# Altium PCB PCB1.PcbDoc (continued)
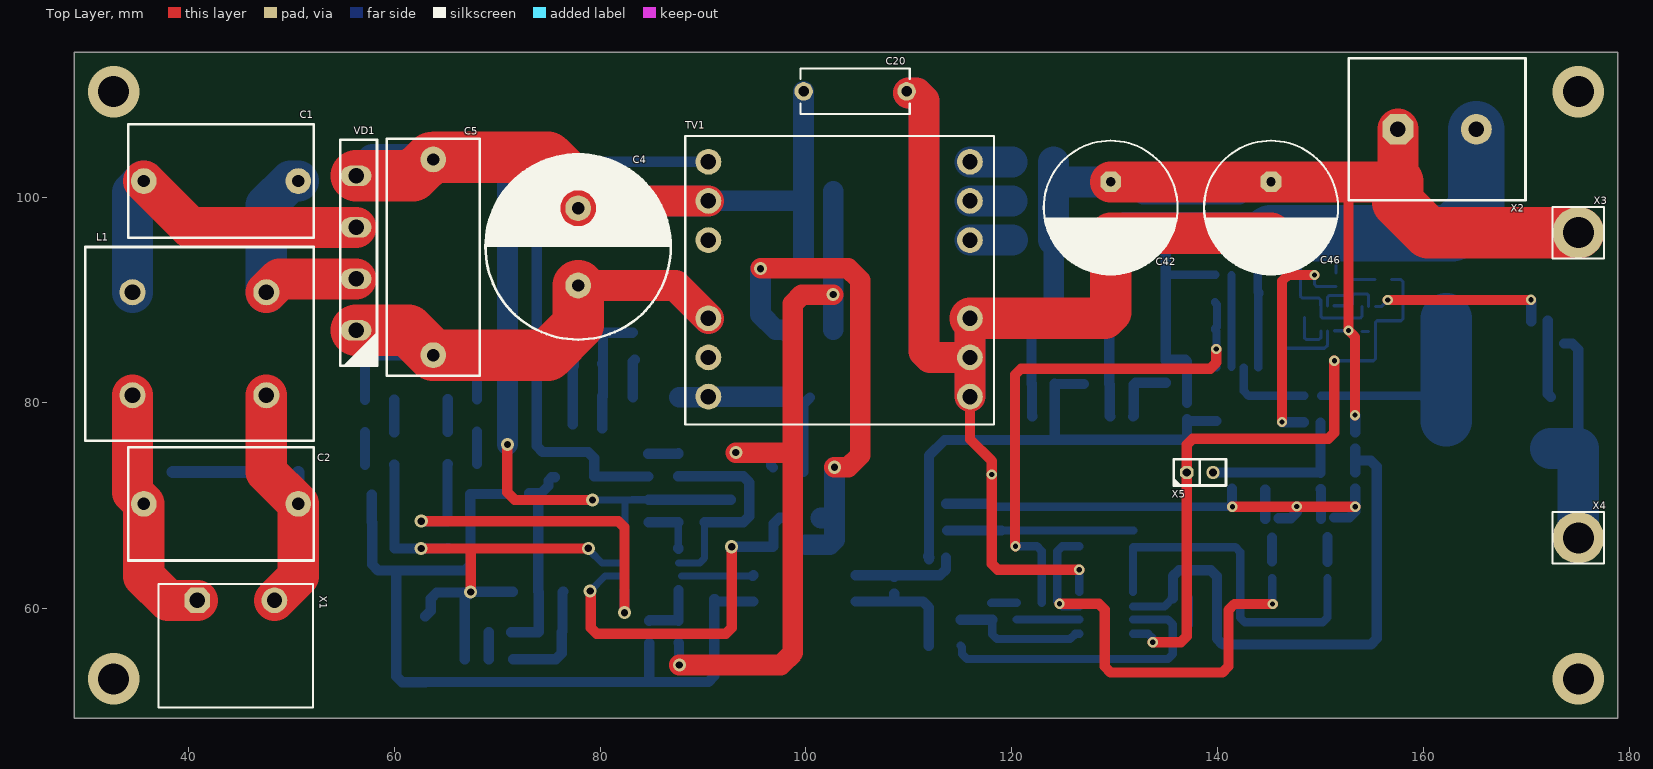
[diagram p0: Top Layer view]
## Part data
C1 C2: library part FILM_CAP, "Конденсатор пленочный", Dielectric=X2, Package=FILM_P1500L1800W1100H1400PD80, Voltage=275В, ComponentDescription="Конденсатор пленочный, 0.68мк, 275В, X2, FILM_P1500L1800W1100H1400PD80", ComponentType="Конденсатор пленочный"
C3 C13 C14 C16 C26 C30 C34 C35 C38 C41: library part C0805, Dielectric=X7R, Package=C-0805, Voltage=50, ComponentType="Конденсатор керамический SMD"
  C3 C14 C16 C26 C30 C35 C38: ComponentDescription="Конденсатор керамический SMD, C-0805, 50В, 1мк, X7R"
  C13 C34 C41: ComponentDescription="Конденсатор керамический SMD, C-0805, 50В, 0.1мк, X7R"
C4: library part "Aluminum electrolytic capacitor", "Конденсатор электролитический", Package="PCAP D18 H36 P7.5", ComponentDescription="Конденсатор электролитический, *, *, *, PCAP D18 H36 P7.5", ComponentType="Конденсатор электролитический"
C5: library part "CBB22 0.47uF 630V", "Конденсатор металло-плёночный", Dielectric=СВВ22, Package=CAP23X9X19mm, Voltage=630В, ComponentDescription="Конденсатор металло-плёночный, 0.47мк, 630В, СВВ22, CAP23X9X19mm", ComponentType="Конденсатор металло-плёночный"
C6 C8 C45: library part C0805, Dielectric=X7R, Package=c-0805, Voltage=50, ComponentType="Конденсатор керамический SMD"
  C6: ComponentDescription="Конденсатор керамический SMD, c-0805, 50В, 2200, X7R"
  C8: ComponentDescription="Конденсатор керамический SMD, c-0805, 50В, 0.1мк, X7R"
  C45: ComponentDescription="Конденсатор керамический SMD, c-0805, 50В, 1мк, X7R"
C7: library part C0805, Dielectric=COG, Package=c-0805, Voltage=50, ComponentDescription="Конденсатор керамический SMD, c-0805, 50В, 68, COG", ComponentType="Конденсатор керамический SMD"
C9 C11: library part C1206, Package=c-1206, ComponentDescription="Конденсатор керамический SMD, c-1206, *В, *, *", ComponentType="Конденсатор керамический SMD"
C10: library part C0805, Dielectric=X7R, Package=c-0805, Voltage=25, ComponentDescription="Конденсатор керамический SMD, c-0805, 25В, 22мк, X7R", ComponentType="Конденсатор керамический SMD"
C12: library part _GENERIC_TANTALUM_, "Конденсатор танталовый SMD", Dielectric="Типоразмер D", Package="Capacitor, SM Tantalum; Body 7.3 x 4.3 mm (LxW typ)", Voltage=25, ComponentDescription="Конденсатор танталовый SMD, Capacitor, SM Tantalum; Body 7.3 x 4.3 mm (LxW typ), 25В, 47мк, Типоразмер D", ComponentType="Конденсатор танталовый SMD"
C15 C21 C22 C23: library part C0603, Package=c-0603, ComponentDescription="Конденсатор керамический SMD, c-0603, *В, *, *", ComponentType="Конденсатор керамический SMD"
C17: library part C0805, Dielectric=X7R, Package=C-0805, Voltage=25, ComponentDescription="Конденсатор керамический SMD, C-0805, 25В, 22мк, X7R", ComponentType="Конденсатор керамический SMD"
C18: library part C0805, Dielectric=COG, Package=C-0805, Voltage=50, ComponentDescription="Конденсатор керамический SMD, C-0805, 50В, 120, COG", ComponentType="Конденсатор керамический SMD"
C19: library part C0603, Package=C-0603, ComponentDescription="Конденсатор керамический SMD, C-0603, *В, *, *", ComponentType="Конденсатор керамический SMD"
C20: library part HVCerCap_d7.5X10, "Конденсатор керамический", Dielectric=Y2, Package=HVCerCap_d7.5x10, Voltage=1кВ, ComponentDescription="Конденсатор керамический, 0.01мк, 1кВ, Y2, HVCerCap_d7.5x10", ComponentType="Конденсатор керамический"
C42 C46: library part "CAP: D13C5H25", "Конденсатор электролитический", Dielectric=ESR, Voltage=50В, ComponentDescription="Конденсатор электролитический, 1000мк, 50В, ESR, CAP: D13C5H25", ComponentType="Конденсатор электролитический", Package="CAP: D13C5H25", Type="LOW ESR"
D1: "Микросхема контроллер PWM", Package=8-soic, ComponentDescription="Микросхема контроллер PWM, ICE2QS02G, 8-soic", ComponentTypе="Микросхема контроллер PWM"
D2: "Оптрон с транзисторным выходом", Package=DIP4-SMD, ComponentDescription="Оптрон с транзисторным выходом, PC817, DIP4-SMD", ComponentType="Оптрон с транзисторным выходом"
D4: "Микросхема сдвоенный ОУ", Package=8-SOIC, ComponentDescription="Микросхема сдвоенный ОУ, LM258, 8-SOIC", ComponentTypе="Микросхема сдвоенный ОУ"
D5: "Микросхема ИОН", Package=sot-23-3, ComponentDescription="Микросхема ИОН, TL431DBZ, sot-23-3", ComponentType="Микросхема ИОН"
DA1: library part LMV358, ComponentDescription=LM358
HL1: "Светодиод", Color=зелёный, Package=LED-0805G, ComponentDescription="Светодиод, зелёный, __GENERIC_LED, LED-0805G", ComponentType=Светодиод
L1: library part U16-123, "Дроссель синфазный", Package=UU16, ComponentDescription="Дроссель синфазный, D2U16V-223, UU16", ComponentTypе="Дроссель синфазный"
R1 R2 R4 R5 R6 R8 R9 R10 R15 R16 R19 R21 R22 R23 R24: library part R1206, "Резистор SMD", Package=R-1206, Tolerance=5%, ComponentType="Резистор SMD"
  R1 R2 R4 R5 R6: ComponentDescription="Резистор SMD, R-1206, 330кОм, 5%"
  R8 R9 R10: ComponentDescription="Резистор SMD, R-1206, 100кОм, 5%"
  R15 R16 R19 R21 R22 R23 R24: ComponentDescription="Резистор SMD, R-1206, *Ом, 5%"
R3 R7 R11 R12 R13 R14 R17 R18 R20 R31: library part R0805, "Резистор SMD", Package=R-0805, Tolerance=5%, ComponentType="Резистор SMD"
  R3: ComponentDescription="Резистор SMD, R-0805, 1МОм, 5%"
  R7: ComponentDescription="Резистор SMD, R-0805, 22кОм, 5%"
  R11: ComponentDescription="Резистор SMD, R-0805, 4.7кОм, 5%"
  R12 R14: ComponentDescription="Резистор SMD, R-0805, 33кОм, 5%"
  R13: ComponentDescription="Резистор SMD, R-0805, 22Ом, 5%"
  R17: ComponentDescription="Резистор SMD, R-0805, 8.2кОм, 5%"
  R18 R31: ComponentDescription="Резистор SMD, R-0805, 10кОм, 5%"
  R20: ComponentDescription="Резистор SMD, R-0805, 100Ом, 5%"
R25 R26 R27 R28 R29 R30 R32 R33 R34 R36 R37 R38 R39 R41 R42 R43 R44 R45 R46 R47 R48: library part R0603, "Резистор SMD", Package=r-0603, Tolerance=5%, ComponentDescription="Резистор SMD, r-0603, *Ом, 5%", ComponentType="Резистор SMD"
R35: library part R0603, "Резистор SMD", Package=R-0603, Tolerance=5%, ComponentDescription="Резистор SMD, R-0603, *Ом, 5%", ComponentType="Резистор SMD"
R40: library part R2512, "Резистор SMD", Package=r-2512, Tolerance=5%, ComponentDescription="Резистор SMD, r-2512, *Ом, 5%", ComponentType="Резистор SMD"
TV1: library part PQ3535_1, "Трансформатор FLYBACK 150WT", ComponentDescription=PQ3535
VD1: "Диодный мост, однофазный", ComponentDescription="Диодный мост, однофазный, GBU406, GBU406", ComponentType="Диодный мост, однофазный", Package=GBU406
VD2 VD5 VD10 VD14 VD15: library part BZM55, "Диод Зенера (стабилитрон)", Package=MICROMELF(SOD80), ComponentName=BZM55, ComponentType="Диод Зенера (стабилитрон)"
  VD2 VD5 VD10: ComponentDescription="Диод Зенера (стабилитрон), BZM55 15В, MICROMELF(SOD80)"
  VD14 VD15: ComponentDescription="Диод Зенера (стабилитрон), BZM55 *, MICROMELF(SOD80)"
VD3 VD6 VD9: library part SS22A, "Диод выпрямительный одиночный", Package=DO-214AC, ComponentDescription="Диод выпрямительный одиночный, *, DO-214AC", ComponentType="Диод выпрямительный одиночный"
VD4: "Диод выпрямительный одиночный", Package=SOD-123FL, ComponentDescription="Диод выпрямительный одиночный, SL1G, SOD-123FL", ComponentType="Диод выпрямительный одиночный"
VD7: "Диод выпрямительный одиночный", Package=DO-214AA, ComponentDescription="Диод выпрямительный одиночный, MURS160, DO-214AA", ComponentType="Диод выпрямительный одиночный"
VD8: "Диод выпрямительный одиночный", Package=DO-214AC, ComponentDescription="Диод выпрямительный одиночный, US1MG, DO-214AC", ComponentType="Диод выпрямительный одиночный"
VD11 VD13: "DIODE GP 100V 215MA SOD-123F", Capacitance @ Vr, F="1.5pF @ 0V, 1MHz", Current - Average Rectified (Io)="215mA (DC)", Current - Reverse Leakage @ Vr="500 nA @ 80 V", Manufacturer="Nexperia USA Inc.", Operating Temperature - Junction="150°C (Max)", Package / Case=SOD-123F, Supplier Part Number 1=1727-4796-1-ND, Voltage - DC Reverse (Vr) (Max)="100 V", Voltage - Forward (Vf) (Max) @ If="1.25 V @ 150 mA", Component Type=Standard, ComponentLink1Description=Datasheet, ComponentLink1URL=https://assets.nexperia.com/DO-cuments/data-sheet/BAS16_SER.pdf, ComponentLink2Description="DigiKey Link", ComponentLink2URL=https://www.digikey.com/en/products/detail/nexperia-usa-inc/BAS16H-115/1163692, Diode Type=Standard, LastUpdated="19.09.2022 13:46:32", Lifecycle Status=Active, Minimum Order=1, Mounting Type="Surface Mount", Packaging=TapeAndReel, Part Number=BAS16H,115, Part Status=Active, PartId=1129, Pin Count=2, Price=0.02, Reverse Recovery Time (trr)="4 ns", Series="Automotive, AEC-Q101, BAS16", Speed="Fast Recovery =< 500ns, > 200mA (Io)", Supplier 1=DigiKey, Supplier Device Package=SOD-123F
VD12: "Защитный диод униполярный", Package=DO-214AA, ComponentDescription="Защитный диод униполярный, P6SMB30A, DO-214AA", ComponentType="Защитный диод униполярный"
VT1 VT3: Package=SOT-223-4, ChannelType=NPN, ComponentDescription="Транзистор биполярный, NPN, BCP54, SOT-223-4", ComponentType="Транзистор биполярный"
VT2: "Транзистор МОП, одиночный, N-канальный", Package=TO-252, ChannelType=N-канальный, ComponentDescription="Транзистор МОП, одиночный, N-канальный, IPD60R180P7, TO-252", ComponentType="Транзистор МОП, одиночный"
VT4 VT6 VT8: Package=SOT-323-3, ChannelType=NPN, ComponentDescription="Транзистор биполярный, NPN, BC847BW, SOT-323-3", ComponentType="Транзистор биполярный"
VT7 VT9: Package=SOT-323-6, ChannelType=NPN-PNP, ComponentDescription="Цифровая сборка, NPN-PNP, PUMD2, SOT-323-6", ComponentType="Цифровая сборка"
X1: "Разъем разрывной", ComponentDescription="Разъём, 2EDGRC-7.5-02P", ComponentTypе=Разъём
X2: "Разъём винтовой", ComponentDescription="Разъём винтовой, KF25C-7.62-02P-13", ComponentTypе="Разъём винтовой"
X3 X4: library part PAD1mm
X5: "Разъём штыревой", ComponentDescription="Разъём штыревой, PLS-2", ComponentTypе="Разъём штыревой"
VT5: ComponentDescription=IRLR2905

## Via types
v1: diameter 1, hole 0.5, Top Layer to Bottom Layer, tented both sides, 17 vias
v2: diameter 1.27, hole 0.711, Top Layer to Bottom Layer, tented both sides, 14 vias
v3: diameter 5, hole 3, Top Layer to Bottom Layer, 4 vias

## Nets (pads, with @x,y where several pads share a name; then routed paths per layer and width w, separated by ;. In a path a pad name is that pad's centre, name@x,y a point inside that pad or via, vN(x,y) a via of type N, cw(c..) or ccw(c..) an arc to the next point about the centre after c; other vN are vias at no path point)
+12V: C19.1 C23.2 C41.1 C45.1 D4.8 DA1.8 R25.2 R47.2 R48.1 VT3.3 VT7.4 X5.1 | length 113.8
  Top Layer w1: v1(133.68,56.769) 136.396,56.769 136.982,57.355 X5.1 136.982,73.404 136.982,75.944 137.568,76.53 150.722,76.53 151.308,77.116 v1(151.308,84.099)
  Bottom Layer w0.3: v1(151.308,84.099) 155.109,84.099 155.285,84.275 155.285,87.81 155.461,87.986 157.787,87.986 157.963,88.161 157.963,91.798 157.787,91.973 R47.2
  Bottom Layer w0.8: 123.987,76.403 124.163,76.579 ; D4.8 133.237,57.589 133.706,57.12 v1@133.706,56.744 ; X5.1@137.008,73.279 137.008,76.579
  Bottom Layer w1: R25.2@111.887,65.113 R25.2 ; R25.2@111.938,64.821 111.938,67.564 111.938,70.206 111.938,74.879 113.462,76.403 123.987,76.403 ; C41.1 C41.1@124.15,81.852 ; VT3.3 126.976,81.852 C41.1@124.15,81.852 ; 136.857,76.429 124.313,76.429 124.163,76.579 C45.1 124.15,78.727 C41.1@124.15,81.852 ; 137.008,76.579 C23.2 137.182,78.248 DA1.8
+Supply: C26.2 C30.2 C34.1 C35.2 C38.2 C42.1 C46.1 R31.2 R32.1 VD3.2 VD6.2 VD9.2 VD12.2 VT3.2 VT9.4 X2.1 X3.1 | length 149.8
  Top Layer w1: 152.679,101.473 v1(152.679,87.046) 153.314,86.411 v1(153.314,78.816)
  Top Layer w4: C42.1 C46.1 152.679,101.473 157.48,101.473 X2.1
  Top Layer w5: 157.48,101.473 157.48,99.474 160.409,96.545 X3.1
  Bottom Layer w0.3: VT9.4@151.32,87.017 152.651,87.017 v1(152.679,87.046)
  Bottom Layer w1: VD9.2 VD9.2@124.051,95.798 ; 124.04,101.524 124.091,101.473 ; C34.1@124.051,88.225 C34.1 ; VT3.2@129.426,88.227 129.438,88.214 129.438,81.84 129.494,81.784 129.494,78.745 R31.2 ; v1(153.314,78.816) 153.34,78.791 R32.1
  Bottom Layer w1.5: C42.1 129.619,101.445 131.245,101.445 C35.2 C38.2 C30.2 C26.2 143.533,101.419 145.107,101.419 C46.1 149.454,101.473 156.894,101.473 157.48,102.059 X2.1
  Bottom Layer w2: C34.1@124.051,88.225 VD9.2@124.051,95.798 ; C34.1 129.438,88.214 VT3.2@129.972,88.214
  Bottom Layer w3: VD9.2 VD6.2 124.04,101.524 VD3.2 ; 124.091,101.473 C42.1
AB_CUR_AMP: C15.2 DA1.1 R29.1 R35.1 | length 52.3
  Top Layer w1: v1(120.345,66.091) 120.294,66.142 120.294,82.752 120.88,83.337 139.248,83.337 139.834,83.923 v1(139.834,85.238)
  Bottom Layer w0.8: v1(120.345,66.091) 122.417,66.091 122.885,65.622 R35.1 ; R29.1@139.713,87.123 139.859,86.976 DA1.1 ; C15.2@139.713,89.814 139.713,89.764 139.903,89.574 139.903,87.388 139.738,87.223 R29.1@139.738,87.173
AKB-: R41.2 VT5.3 X4.1 | length 22.6
  Bottom Layer w1: R41.2 174.42,85.776 175.006,85.19 175.006,75.59 175.006,75.362
  Bottom Layer w4: VT5.3 175.006,75.59 ; X4.1@174.985,66.925 174.985,75.362
FB_SEC: D2.2 R26.1 VD11.1 VD13.1 | length 11.8
  Bottom Layer w1: D2.2 108.331,60.731 108.585,60.731 ; R26.1 108.585,60.731 ; VD13.1 111.925,56.451 111.925,58.141 111.912,58.153 111.912,60.146 111.327,60.731 108.585,60.731
GND_PRIM: C3.1 C4.2 C5.1 C6.1 C7.2 C8.2 C10.2 C12.2 C13.2 C14.2 C16.2 C17.2 C18.2 C20.1 D1.8 D2.3 HL1.2 R3.2 R7.1 R11.1 R22.1 R23.1 R24.1 TV1.2 VD1.- VD2.1 VD5.1 | length 238.8
  Top Layer w1: v2@70.993,75.921 70.993,71.323 71.729,70.587 v2(79.273,70.587)
  Top Layer w3: C4.2@77.455,99.609 TV1.2@90.526,99.609
  Top Layer w5: VD1.- 61.835,102.053 C5.1@63.617,103.835 ; C5.1@64.018,103.861 74.947,103.861 77.876,100.932 C4.2
  Bottom Layer w0.7: v2(79.273,70.587) 82.43,70.587 ; D1.8 82.43,70.587 ; 83.09,70.587 82.43,70.587 ; 83.116,70.612 C3.1
  Bottom Layer w1: C16.2 57.879,68.402 C14.2 57.879,64.314 58.465,63.729 60.198,63.729 ; C16.2@57.82,68.546 C13.2 ; C17.2@70.809,71.171 R7.1 C8.2 67.416,68.508 67.416,65.934 C10.2 67.437,64.314 66.851,63.729 60.198,63.729 ; C17.2 70.967,71.279 70.967,75.92 v2(71.018,75.971) ; C3.1 84.738,70.616 92.681,70.616 R11.1 ; 84.785,52.9 C18.2 ; D2.3 91.355,60.731 91.134,60.952 C6.1 91.084,53.486 90.499,52.9 VD5.1 VD2.1 63.035,52.9 C12.2 60.784,52.883 60.198,53.469 60.198,63.729 ; 99.683,99.619 99.759,99.543 ; R24.1 R24.1@99.759,94.225 ; C20.1@99.759,110.246 C20.1
  Bottom Layer w2: C5.1 69.847,103.647 71.018,102.475 v2(71.018,75.971) ; TV1.2 99.683,99.619 ; R24.1@99.759,94.225 99.759,99.543 C20.1@99.759,110.246
  Bottom Layer w3: VD1.- 57.905,103.647 C5.1 ; C4.2 78.587,99.619 TV1.2
GND_SEC: C19.2 C20.2 C23.1 C26.1 C30.1 C34.2 C35.1 C38.1 C41.2 C42.2 C45.2 C46.2 D4.4 D5.3 DA1.4 R30.2 R33.2 R38.2 R40.1 TV1.7 TV1.8 TV1.9 VD10.1 VD12.1 VD15.1 VT4.2 VT6.2 VT7.1 VT8.2 VT9.1 X2.2 | length 314.9
  Top Layer w1: C20.2 C20.2@109.928,110.108 ; TV1.7 115.926,76.479 118.034,74.371 v1(118.034,73.05) 118.034,64.391 118.62,63.805 v1(126.543,63.805) ; v1(141.402,69.926) 147.625,69.926 v1(147.65,69.952) ; v1@147.65,69.926 v1(153.34,69.926)
  Top Layer w3: C20.2@109.928,110.108 110.723,110.108 111.455,109.376 111.455,85.005 112.041,84.419 TV1.8 ; TV1.7 TV1.8 ; TV1.9 TV1.8
  Top Layer w4: TV1.9 129.005,88.219 129.591,88.805 C42.2 C46.2
  Bottom Layer w0.3: VD10.1 VD10.1@134.993,84.201 ; 143.909,95.221 C46.2 ; 148.006,96.465 148.006,90.371 148.182,90.195 149.797,90.195 149.988,90.004 149.988,89.449 VT9.1 149.997,88.415 150.173,88.24 153.809,88.24 153.985,88.415 VT7.1 ; 148.006,96.694 148.014,96.702 148.376,97.064 VD12.1 ; VD12.1@149.091,96.702 VD12.1 ; VT8.2 151.475,94.814 ; 151.475,95.042 149.816,96.702 VD12.1
  Bottom Layer w0.8: v1(118.034,73.05) D5.3 118.034,69.976 118.084,69.926 v1@141.376,69.926 ; v1(126.543,63.805) 126.546,63.801 126.546,61.639 D4.4 ; 134.95,92.456 R30.2 ; v1@141.376,69.952 v1(141.402,69.926) ; VD15.1@143.875,90.754 143.875,95.187 ; DA1.4 143.909,90.503 144.01,90.604 VD15.1 ; 154.671,96.24 154.904,96.473 154.925,96.495
  Bottom Layer w1: C20.2 C20.2@109.928,110.108 ; C19.2 117.984,70.206 117.984,70.159 D5.3 ; TV1.9 115.928,88.216 121.859,88.216 C34.2 121.899,88.176 121.899,81.902 C41.2 121.95,81.852 121.95,78.727 C45.2 ; VD10.1 134.95,92.456 134.95,97.8 ; VD10.1@134.993,84.201 136.832,84.201 137.008,84.025 C23.1 ; v1@141.376,69.952 R38.2 ; VT6.2 147.064,68.819 147.65,69.405 v1(147.65,69.952) ; VT4.2 152.754,68.88 153.34,69.466 v1(153.34,69.926) R33.2
  Bottom Layer w1.5: C42.2 130.918,97.8 C35.1 134.95,97.8 C38.1 C30.1 C26.1 143.834,97.8 C46.2
  Bottom Layer w3: C20.2@109.928,110.108 110.723,110.108 111.455,109.376 111.455,85.005 112.041,84.419 TV1.8 ; TV1.7 TV1.8 ; TV1.9 TV1.8
  Bottom Layer w5.5: C46.2 148.014,96.473 VD12.1@149.091,96.473 ; VD12.1@149.816,96.473 154.904,96.473 ; 154.925,96.495 162.757,96.495 165.1,98.838 X2.2
LEVEL_SHIFT: R36.2 R38.1 R39.1 R42.2 X5.2 | length 15
  Bottom Layer w0.3: X5.2 X5.2@139.554,73.222 ; R42.2 R42.2@149.968,78.111 ; R36.2@149.955,73.247 149.968,73.235 R36.2
  Bottom Layer w1: X5.2@139.96,73.247 141.91,73.247 144.602,73.247 146.177,73.247 R36.2@149.955,73.247 ; R36.2@149.968,73.235 R42.2@149.968,78.111
NetC1_1: C1.1 L1.2 VD1.AC2 | length 21.8
  Top Layer w4: L1.2 48.9,92.053 VD1.AC2
  Bottom Layer w4: L1.2 47.597,99.206 49.94,101.549 C1.1
NetC1_2: C1.2 L1.4 VD1.AC1 | length 33.7
  Top Layer w4: C1.2 40.194,97.053 VD1.AC1
  Bottom Layer w4: L1.4 34.597,100.448 C1.2
NetC2_1: C2.1 L1.1 R1.2 X1.2 | length 25.2
  Top Layer w4: L1.1 47.597,73.307 C2.1 50.698,63.144 X1.2
  Bottom Layer w1.2: C2.1 50.7,70.207 50.7,73.278 R1.2
NetC2_2: C2.2 L1.3 R2.1 X1.1 | length 27.3
  Top Layer w4: L1.3 34.597,71.307 C2.2 35.698,63.176 38.042,60.833 X1.1
  Bottom Layer w1.2: R2.1 35.679,73.285 35.679,70.225 C2.2
NetC3_2: C3.2 D1.1 R3.1 | length 5.5
  Bottom Layer w0.7: D1.1@87.592,65.893 R3.1@87.592,68.399
  Bottom Layer w1: C3.2 84.747,68.425 87.541,68.425 R3.1 R3.1@87.592,68.399 ; D1.1@87.592,65.893 D1.1 ; R3.1@87.604,68.437 R3.1@87.629,68.437
NetC4_1: C4.1 C5.2 C9.2 R4.2 R8.2 R15.2 R16.2 R19.2 TV1.4 VD1.+ | length 88.2
  Top Layer w3: C4.1 87.337,91.408 TV1.4
  Top Layer w5: VD1.+ 61.398,87.053 C5.2 74.947,84.647 77.876,87.576 C4.1
  Bottom Layer w1: R8.2 57.17,83.971 57.846,84.647 C5.2 67.466,84.647 68.052,84.061 R4.2 R4.2@68.053,80.364 ; R19.2@77.343,77.927 77.343,80.645 77.343,83.518 77.442,83.617 C9.2@77.343,83.716 ; C9.2 77.467,83.896 R16.2 ; R16.2@77.431,86.766 77.431,90.556 77.622,90.748 C4.1@77.622,91.662
  Bottom Layer w3: C4.1 87.337,91.408 TV1.4
NetC6_2: C6.2 D1.3 D2.4 | length 7
  Bottom Layer w0.7: D1.3@87.936,63.208 91.389,63.208 D2.4@94.831,63.208
  Bottom Layer w1: D2.4@94.831,63.208 D2.4
NetC7_1: C7.1 D1.2 R11.2 R12.1 | length 21.2
  Bottom Layer w0.7: D1.2 89.676,64.465 90.145,64.934 C7.1
  Bottom Layer w1: R12.1 93.902,72.873 94.488,72.287 94.488,69.006 93.902,68.42 R11.2 92.672,68.432 90.157,68.432 C7.1
NetC8_1: C8.1 D1.5 R6.1 R7.2 | length 38.4
  Top Layer w1: v2@62.646,68.529 81.786,68.529 82.372,67.943 v2@82.372,59.712
  Bottom Layer w1: v2(62.636,68.529) C8.1 65.197,68.532 65.197,74.064 R6.1 ; v2(82.372,59.639) D1.5@82.372,61.705
NetC9_1: C9.1 R15.1 R16.1 R19.1 R21.2 | length 12.2
  Bottom Layer w1: R19.1 R15.1 ; C9.1 C9.1@80.217,83.796 ; R15.1@80.281,80.645 80.281,83.617 R16.1@80.281,86.766 ; R16.1@80.281,86.845 80.32,86.806 83.146,86.806 R21.2
NetC10_1: C10.1 C12.1 C13.1 C14.1 C16.1 D1.7 R10.1 VD2.2 VT1.3 | length 55
  Top Layer w1: v2(62.629,65.875) 67.221,65.875 ; v2(67.437,61.646) 67.437,65.659 67.221,65.875 ; v2@78.781,65.875 67.221,65.875
  Bottom Layer w0.7: v2(78.867,65.888) 79.006,65.748 79.006,65.654 80.196,64.465 D1.7
  Bottom Layer w1: R10.1 60.05,73.986 60.05,65.866 60.058,65.875 v2(62.629,65.875) 65.199,65.875 C10.1 ; C12.1 63.562,59.828 63.562,61.008 64.148,61.594 67.385,61.594 v2(67.437,61.646) ; VD2.2 66.878,61.014 67.437,61.573 v2(67.437,61.646) ; VT1.3 71.515,61.671 67.463,61.671 v2(67.437,61.646)
NetC11_1: C11.1 R20.1 R22.2 R23.2 R24.2 VT2.3 | length 75.4
  Top Layer w2: v2(87.706,54.559) 97.558,54.559 98.73,55.731 98.73,75.184 ; v2(93.193,75.184) 98.73,75.184 ; v2(102.643,90.528) 99.608,90.528 98.73,89.65 98.73,75.184
  Bottom Layer w1: R20.1 87.668,56.672 87.668,54.597 v2(87.706,54.559) ; v2@93.266,75.184 96.011,75.184 96.597,74.598 96.597,73.936 C11.1 ; R22.2 R22.2@102.643,100.56
  Bottom Layer w2: R22.2@102.643,100.56 102.643,97.384 102.643,94.209 v2(102.643,90.528) v2(102.643,90.528) VT2.3@102.644,87.12
NetC11_2: C11.2 TV1.6 VD7.1 VT2.4 | length 18.1
  Bottom Layer w1: C11.2@99.748,73.304 99.748,79.896 VT2.4
  Bottom Layer w2: VD7.1 TV1.6@90.526,80.569 ; TV1.6@90.661,80.619 VT2.4@98.487,80.619
NetC15_1: C15.1 DA1.2 R29.2 R30.1 | length 9.1
  Bottom Layer w0.3: DA1.2 DA1.2@141.313,83.512 ; R30.1@141.313,92.392 R30.1
  Bottom Layer w0.8: DA1.2@141.313,83.512 141.313,87.173 141.313,89.814 R30.1@141.313,92.392
NetC17_1: C17.1 R17.1 R18.1 VD8.2 VT1.2 | length 19.1
  Bottom Layer w1: R18.1 73.99,57.734 74.037,57.781 74.037,61.65 73.99,61.697 73.99,71.222 C17.1 ; 74.411,71.372 74.997,71.957 74.997,72.471 75.322,72.796 VD8.2
NetC18_1: C18.1 D1.4 R20.2 | length 5.8
  Bottom Layer w1: C18.1@84.785,58.834 C18.1@84.807,58.856 ; C18.1 84.798,58.898 87.592,58.898 R20.2@87.63,58.86 ; R20.2 D1.4
NetC21_1: C21.1 R27.1 | length 2.5
  Bottom Layer w0.8: R27.1 118.008,60.566 118.033,60.592 C21.1
NetC21_2: C21.2 D4.2 R35.2 | length 6.1
  Bottom Layer w0.8: C21.2@120.472,58.979 122.428,58.979 122.885,58.979 D4.2
NetC22_1: C22.1 R28.1 | length 2.6
  Bottom Layer w0.8: R28.1@137.205,58.445 C22.1
NetC22_2: C22.2 D4.6 R32.2 R33.1 | length 54.4
  Bottom Layer w0.8: D4.6 134.817,60.249 C22.2@135.605,61.037
  Bottom Layer w1: C22.2@135.605,61.037 135.636,61.068 135.636,63.168 136.222,63.754 139.317,63.754 139.903,63.168 139.903,57.126 140.489,56.54 154.837,56.54 155.423,57.126 155.423,73.824 154.837,74.409 153.34,74.409 ; R33.1 153.34,74.409 ; R32.2 153.34,74.409
NetD1_6: D1.6 R13.1 VD4.2 | length 38.4
  Top Layer w1: v2(79.045,61.747) 79.096,61.696 79.096,58.167 79.682,57.582 92.2,57.582 92.786,58.167 v2(92.786,66.04)
  Bottom Layer w0.7: v2(79.045,61.747) 80.493,63.195 D1.6
  Bottom Layer w1: v2(92.786,66.04) 96.466,66.04 96.468,66.042 96.8,66.042 96.85,66.092 96.85,68.274 97.435,68.859 R13.1@99.105,68.859
NetD2_1: D2.1 R25.1 R26.2 | length 10.3
  Bottom Layer w1: D2.1 R26.2@108.585,63.271 ; R26.2 108.75,63.271 113.016,63.271 113.601,63.857 R25.1
NetD4_1: D4.1 R27.2 VD11.2 | length 13.3
  Bottom Layer w0.8: R27.2@118.033,58.941 118.033,58.681 118.085,58.629 118.085,57.542 118.553,57.074 125.635,57.074 126.15,57.589 D4.1
  Bottom Layer w1: VD11.2 R27.2@118.085,58.953
NetD4_3: D4.3 R44.2 R45.2 | length 44.8
  Top Layer w1: v1(124.618,60.509) 128.421,60.509 129.007,59.923 129.007,54.408 129.592,53.823 140.435,53.823 141.021,54.408 141.021,59.892 141.607,60.477 v1(145.313,60.477)
  Bottom Layer w0.8: D4.3 124.878,60.249 v1(124.618,60.509) 124.409,60.717 124.409,65.609 124.878,66.078 126.543,66.078 R45.2 ; R44.2 145.288,62.98 145.288,60.503 v1(145.313,60.477)
NetD4_5: D4.5 R34.2 R46.2 | length 34
  Bottom Layer w0.8: D4.5 131.75,65.95 R46.2@131.801,66.002 ; R46.2 R46.2@131.801,66.002 ; R34.2 150.647,59.168 150.179,58.699 142.632,58.699 142.164,59.168 142.164,65.533 141.695,66.002 R46.2@131.801,66.002
NetD4_7: D4.7 R28.2 VD13.2 | length 28.7
  Bottom Layer w0.8: VD13.2 115.162,56.289 115.162,55.612 115.631,55.143 135.149,55.143 135.618,55.612 R28.2 135.618,58.495 135.134,58.979 D4.7
NetD5_1: D5.1 D5.2 R45.1 R46.1 R48.2 | length 18.1
  Bottom Layer w0.8: D5.1 126.568,67.609 R46.1@131.804,67.609
  Bottom Layer w1: R48.2@113.698,67.609 D5.2 D5.1
NetDA1_3: DA1.3 R37.2 | length 8.4
  Bottom Layer w0.8: DA1.3 142.519,81.164 142.988,80.696 R37.2@148.4,80.696
NetHL1_A: HL1.1 R18.2 | length 2.6
  Bottom Layer w1: R18.2 69.186,57.73 69.186,55.1 HL1.1
NetR1_1: R1.1 R2.2 | length 9.4
  Bottom Layer w1.2: R2.2 38.522,73.292 47.838,73.292 R1.1
NetR4_1: R4.1 R5.2 | length 3.2
  Bottom Layer w1: R5.2 65.2,77.217 65.2,80.364 R4.1
NetR5_1: R5.1 R6.2 | length 3.1
  Bottom Layer w1: R6.2 R5.1
NetR8_1: R8.1 R9.2 | length 3.1
  Bottom Layer w1: R9.2 R8.1
NetR9_1: R9.1 R10.2 | length 3.1
  Bottom Layer w1: R10.2 R9.1
NetR12_2: R12.2 R14.1 | length 2.9
  Bottom Layer w1: R14.1 84.691,75.065 87.597,75.065 R12.2 R12.2@87.608,75.069 ; R12.2@87.605,75.098 R12.2@87.613,75.107
NetR13_2: R13.2 VD4.1 VT2.1 | length 50.3
  Top Layer w1: v2(95.58,93.04) v2@95.631,93.091
  Top Layer w2: v2@95.631,93.091 104.086,93.091 105.258,91.919 105.258,74.933 104.086,73.762 v2(102.768,73.762)
  Bottom Layer w1: VD4.1@100,66.242 99.95,66.192 VD4.1 100.819,66.142 ; R13.2@101.455,68.834 R13.2 101.405,68.835 R13.2@101.505,68.735
  Bottom Layer w2: v2(95.58,93.04) 95.58,88.591 97.052,87.12 97.945,87.12 VT2.1 ; VD4.1@100,66.242 102.283,66.242 102.768,66.727 ; R13.2@101.455,68.834 102.768,68.834 ; 102.768,66.827 102.768,68.834 ; v2(102.768,73.762) 102.768,68.834
NetR14_2: R14.2 TV1.1 VD8.1 | length 57
  Bottom Layer w1: R14.2 79.451,72.857 79.451,74.649 78.865,75.235 74.449,75.235 73.863,75.821 73.863,102.833 74.449,103.419 TV1.1
NetR17_2: R17.2 VD5.2 VT1.1 | length 11
  Bottom Layer w1: VD5.2 75.698,55.1 76.284,55.686 R17.2 76.362,57.812 76.362,61.619 VT1.1
NetR21_1: R21.1 VD7.2 | length 3.7
  Bottom Layer w1: VD7.2 83.19,80.574 83.19,83.99 R21.1 R21.1@83.385,84.195
NetR31_1: R31.1 VD10.2 VT3.1 | length 6.3
  Bottom Layer w1: R31.1 131.819,78.758 131.819,81.77 VT3.1 132.007,81.958 VD10.2
NetR34_1: R34.1 VT4.3 | length 2.4
  Bottom Layer w1: R34.1 VT4.3
NetR36_1: R36.1 VT4.1 | length 2.9
  Bottom Layer w1: R36.1 150.012,71.59 VT4.1@150.012,68.762
NetR37_1: R37.1 R40.2 VT5.2 | length 23.7
  Bottom Layer w0.8: R37.1@150,80.696 159.755,80.696 VT5.2@162.397,78.054
  Bottom Layer w1: VT5.2@162.154,78.297 VT5.2@162.397,78.054
  Bottom Layer w5: VT5.2@162.154,78.297 162.154,80.315 R40.2
NetR39_2: R39.2 VT6.1 | length 2.8
  Bottom Layer w1: R39.2 144.612,71.58 VT6.1@144.612,68.747
NetR41_1: R41.1 R43.2 VT5.1 | length 7.5
  Bottom Layer w1: R43.2@172.034,87.975 R41.1 172.034,80.87 VT5.1
NetR42_1: R42.1 VT8.1 | length 22.3
  Top Layer w1: v1(146.228,78.15) 146.228,91.845 146.814,92.431 v1(149.377,92.431)
  Bottom Layer w0.3: v1(146.228,78.15) v1@146.238,78.14 ; R42.1@148.339,78.14 R42.1 ; v1(149.377,92.431) 149.377,91.499 149.553,91.323 VT8.1
  Bottom Layer w1: v1@146.238,78.14 R42.1@148.339,78.14
NetR43_1: R43.1 VT7.3 | length 17.5
  Top Layer w1: v1(156.489,89.992) v1@170.409,89.992
  Bottom Layer w0.3: VT7.3 155.91,89.388 156.489,89.968 v1(156.489,89.992)
  Bottom Layer w1: R43.1 v1@170.421,90.005
  other v1: 170.409,90.018
NetR44_1: R44.1 VT6.3 | length 2.3
  Bottom Layer w1: R44.1@145.263,64.618 VT6.3
NetR47_1: R47.1 VT8.3 VT9.2 | length 7
  Bottom Layer w0.3: VT9.2 150.647,90.274 150.823,90.449 152.333,90.449 152.508,90.625 152.508,91.798 152.684,91.973 VT8.3 ; VT8.3@153.25,91.973 R47.1
NetTV1_10: TV1.10 VD9.1 | length 4.1
  Bottom Layer w1: TV1.10 TV1.10@115.931,95.814 ; VD9.1@120.035,95.814 VD9.1
  Bottom Layer w3: TV1.10@115.931,95.814 VD9.1@120.035,95.814
NetTV1_11: TV1.11 VD6.1 | length 4.1
  Bottom Layer w1: TV1.11 TV1.11@115.938,99.632 ; VD6.1@120.028,99.632 VD6.1
  Bottom Layer w3: TV1.11@115.938,99.632 VD6.1@120.028,99.632
NetTV1_12: TV1.12 VD3.1 | length 4.1
  Bottom Layer w1: TV1.12 TV1.12@115.933,103.411 ; VD3.1@120.033,103.411 VD3.1
  Bottom Layer w3: TV1.12@115.933,103.411 VD3.1@120.033,103.411
NetVD14_A: VD14.1 VT9.6 | length 4.4
  Bottom Layer w0.3: VD14.1 148.395,86.333 148.57,86.157 149.822,86.157 149.997,86.333 VT9.6
NetVD14_K: VD14.2 VD15.2 VT9.5 | length 11.3
  Bottom Layer w0.3: VD14.2 146.195,85.494 146.37,85.319 150.352,85.319 150.655,85.621 150.655,85.87 150.647,85.877 VT9.5
  Bottom Layer w0.8: VD14.2 146.202,88.298 146.202,90.746 VD15.2
NetVT7_2: VT7.2 VT9.3 | length 5.4
  Bottom Layer w0.3: VT9.3 152.887,89.439 153.062,89.615 153.062,90.426 153.238,90.602 154.459,90.602 154.635,90.426 VT7.2
NetVT7_5: VT7.5 VT7.6 | length 0.7
  Bottom Layer w0.3: VT7.6 VT7.5
pads on no net: DA1.5 DA1.6 DA1.7 TV1.3 TV1.5
copper on no net:
  other v3: 32.766,53.213 175.006,53.213 32.766,110.236 175.006,110.236

## Silkscreen, mask and mechanical layers (free items; w line width, h text height)
Drill Guide:
  lines w0.254: 175.006,53.213 175.006,110.236 ; 28.956,49.403 178.816,49.403 178.816,114.046 28.956,114.046 28.956,49.403

## Text inside footprints (layer, text, board x,y; h text height)
TV1: Top Assembly "12" at 114.276,102.919 h1.52; Top Assembly "1" at 91.276,102.919 h1.52